# Altium PCB Copy of Main.PcbDoc (part 1 of 6) (continued)
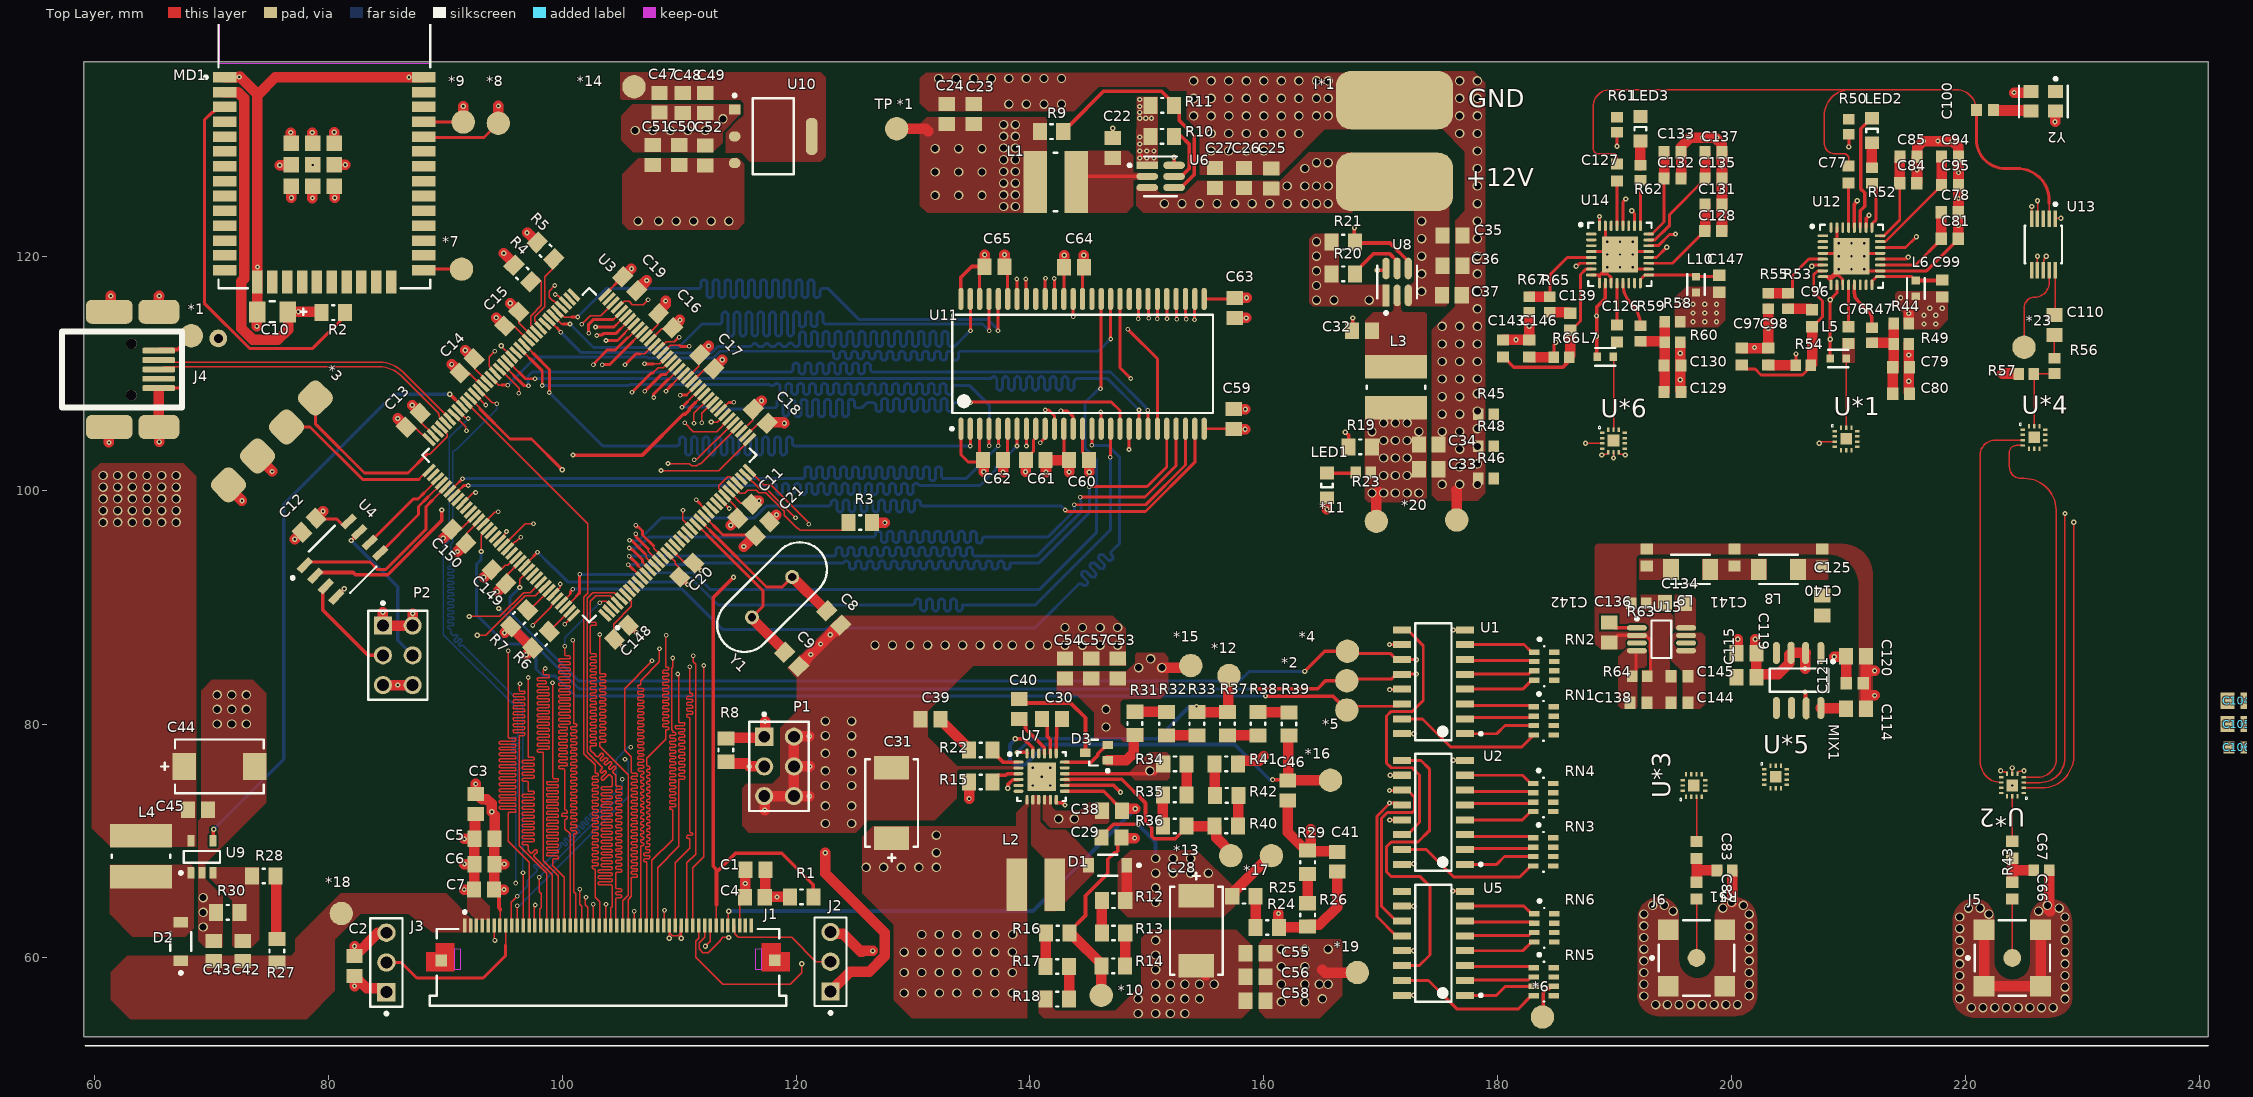
[diagram p0: Top Layer view]
## Components (designator, comment, footprint, x,y, rotation, side; value= is the part's Value field where it differs from the comment) (continued)
C92 "100nF" CAPC1608X90X35ML10T15 332.377,119.325 r0 top
C93 "100nF" CAPC1608X90X35ML10T15 338.227,119.325 r0 top
C94 "10pF" CAPC1608X90X35ML10T15 218.675,128.525 r180 top
C95 "100nF" CAPC1608X90X35ML10T15 218.675,126.1 r180 top
C96 "39nF" CAPC1608X90X35ML10T15 206.875,114.7 r270 top
C97 "2.7nF" CAPC1608X90X35ML10T15 200.875,111.425 r270 top
C98 "680pF" CAPC1608X90X35ML10T15 203.125,111.425 r270 top
C99 "100nF" CAPC1608X90X35ML10T15 218,117.25 r270 top
C100 "1nF" CAPC1608X90X35ML10T15 221.654,132.498 r180 top
C101 "1uf" CAPC2013X70X45NL10T25 382.569,135.175 r90 top
C102 "1uf" CAPC2013X70X45NL10T25 389.17,135.175 r90 top
C103 "100nF" CAPC1608X90X35ML10T15 396.395,135.175 r90 top
C104 "1uf" CAPC2013X70X45NL10T25 243.25,82 r0 top
C105 "1uf" CAPC2013X70X45NL10T25 243.25,80 r0 top
C106 "100nF" CAPC1608X90X35ML10T15 243.25,78 r0 top
C107 "1uf" CAPC2013X70X45NL10T25 334.292,135.175 r90 top
C108 "1uf" CAPC2013X70X45NL10T25 341.392,135.175 r90 top
C109 "100nF" CAPC1608X90X35ML10T15 348.618,135.175 r90 top
C110 "1uf" CAPC2013X70X45NL10T25 227.604,114.123 r90 top
C111 "1uf" CAPC2013X70X45NL10T25 295.94,135.175 r90 top
C112 "1uf" CAPC2013X70X45NL10T25 302.291,135.175 r90 top
C113 "100nF" CAPC1608X90X35ML10T15 309.241,135.175 r90 top
C114 "1uf" CAPC2013X70X45NL10T25 210.626,81.296 r0 top
C115 "1uf" CAPC2013X70X45NL10T25 201.276,83.996 r0 top
C116 "1uf" CAPC2013X70X45NL10T25 364.213,148.675 r90 top
C117 "1uf" CAPC2013X70X45NL10T25 371.088,148.675 r90 top
C118 "100nF" CAPC1608X90X35ML10T15 378.039,148.675 r90 top
C119 "1uf" CAPC2013X70X45NL10T25 201.276,86.046 r180 top
C120 "1uf" CAPC2013X70X45NL10T25 210.626,85.796 r180 top
C121 "100nF" CAPC1608X90X35ML10T15 210.526,83.496 r180 top
C122 "1uf" CAPC2013X70X45NL10T25 322.311,148.675 r90 top
C123 "1uf" CAPC2013X70X45NL10T25 329.436,148.675 r90 top
C124 "100nF" CAPC1608X90X35ML10T15 336.637,148.675 r90 top
C125 "1uf" CAPC2013X70X45NL10T25 207.75,90.15 r90 top
C126 "1nF" CAPC1608X90X35ML10T15 190.202,113.399 r270 top
C127 "1nF" CAPC1608X90X35ML10T15 190.202,127.149 r270 top
C128 "10pF" CAPC1608X90X35ML10T15 198.427,122.149 r180 top
C129 "100nF" CAPC1608X90X35ML10T15 194.952,108.399 r180 top
C130 "100nF" CAPC1608X90X35ML10T15 194.952,110.649 r180 top
C131 "100nF" CAPC1608X90X35ML10T15 198.452,124.399 r180 top
C132 "10pF" CAPC1608X90X35ML10T15 194.952,126.649 r180 top
C133 "100nF" CAPC1608X90X35ML10T15 194.952,128.899 r180 top
C134 "1uf" CAPC2013X70X45NL10T25 195.15,90.35 r180 top
C135 "10pF" CAPC1608X90X35ML10T15 198.452,126.649 r180 top
C136 "1uf" CAPC2013X70X45NL10T25 189.55,87.825 r270 top
C137 "100nF" CAPC1608X90X35ML10T15 198.452,128.899 r180 top
C138 "4.7nF" CAPC1608X90X35ML10T15 192.05,81.825 r180 top
C139 "10nF" CAPC1608X90X35ML10T15 186.202,114.399 r270 top
C140 "15nF" CAPC1608X90X35ML10T15 207.75,94.225 r270 top
C141 "38nF" CAPC1608X90X35ML10T15 200.25,94.225 r270 top
C142 "33nF" CAPC1608X90X35ML10T15 192.75,94.225 r270 top
C143 "68pF" CAPC1608X90X35ML10T15 180.452,112.124 r270 top
C144 "100nF" CAPC1608X90X35ML10T15 195.55,81.825 r0 top
C145 "10nF" CAPC1608X90X35ML10T15 195.55,84.075 r0 top
C146 "68pF" CAPC1608X90X35ML10T15 182.702,112.099 r270 top
C147 "100nF" CAPC1608X90X35ML10T15 198.952,117.649 r270 top
C148 "100nf" CAPC2013X70X45NL10T25 105.075,87.85 r225 top
C149 "100nf" CAPC2013X70X45NL10T25 94.6,92.6 r315 top
C150 "100nf" CAPC2013X70X45NL10T25 91.175,96.05 r315 top
D1 "MBR0540" FP-425-04-MFG 146.65,67.925 r180 top
D2 "MBR0540" FP-425-04-MFG 67.4,61.4 r90 top
D3 "BAT54SWT1G" ONSC-SOT-323-3-419-04_V 145.7,77.55 r180 top
I*1 "POWER" POWER 171.175,129.85 r180 top
J1 "54104-5031" MOLX-54104-5031 103.925,61.275 r0 top
J2 "22-10-2031" FP-22-10-2031-MFG 122.95,59.675 r90 top
J3 "22-10-2031" FP-22-10-2031-MFG 84.975,59.615 r90 top
J4 "67503-1020" MOLX-67503-1020_V 65.5,111.925 r0 top
J5 "RF OUT" FP-73251-1350-MFG 224,60 r0 top
J6 "RF IN" FP-73251-1350-MFG 197,60 r0 top
L1 "4.7uH" WE-TPC-4818-M 142.2,126.35 r180 top
L2 "10uH" WE-PD2-S 140.5,66.25 r0 top
L3 "2.2uH" WE-TPC-4818-M 171.3,108.8 r270 top
L4 "10uH" WE-TPC-4818-M 64,68.7 r270 top
L5 "3.9nH" FP-LQG18HH_00-MFG 209.125,111.25 r0 top
L6 "3.9nH" FP-LQG18HH_00-MFG 215.75,117.25 r270 top
L7 "3.9nH" FP-LQG18HH_00-MFG 189.202,111.399 r180 top
L8 "68uH" SMD-1210 204,93.225 r180 top
L9 "100uH" SMD-1210 196.5,93.225 r180 top
L10 "3.9nH" FP-LQG18HH_00-MFG 196.952,117.574 r270 top
LED1 "LED POWER" 0805_A 165.4,100.4 r90 top
LED2 "LED LOCK" 0805_A 212,130.75 r270 top
LED3 "LED LOCK" 0805_A 192.202,130.899 r270 top
MD1 "ESP32-WROOM-32" FP-ESP32-WROOM-32-MFG 79.665,130.05 r0 top
MIX1 "IAM81008" IAM81008 205.776,81.546 r270 top
P1 "TSW-103-08-L-D" SMTC-TSW-103-08-L-D_V 118.55,76.375 r270 top
P2 "Sucking Fuck" SMTC-TSW-103-08-L-D_V 85.95,85.875 r270 top
R1 "10k" RESC2013X60X35ML10T20 120.475,65.225 r0 top
R2 "10k" RESC2013X60X35ML10T20 80.425,115.175 r180 top
R3 "0" RESC2013X60X35ML10T20 125.5,97.225 r0 top
R4 "4k7" RESC2013X60X35ML10T20 96.6,118.525 r135 top
R5 "4k7" RESC2013X60X35ML10T20 98.575,120.475 r135 top
R6 "0" RESC2013X60X35ML10T20 98.2,87.2 r225 top
R7 "10k" RESC2013X60X35ML10T20 96.325,89.05 r225 top
R8 "10k" RESC2013X60X35ML10T20 114,77.775 r270 top
R9 "54.9k" RESC2013X60X35ML10T20 141.85,130.65 r180 top
R10 "10k" RESC2013X60X35ML10T20 151.3,130.25 r0 top
R11 "10k" RESC2013X60X35ML10T20 151.325,132.9 r0 top
R12 "430k" RESC2013X60X35ML10T20 147.15,64.9 r0 top
R13 "12k" RESC2013X60X35ML10T20 147.15,62.125 r180 top
R14 "0k" RESC2013X60X35ML10T20 147.125,59.325 r0 top
R15 "10k" RESC2013X60X35ML10T20 135.8,75.05 r180 top
R16 "51k" RESC2013X60X35ML10T20 142.375,62.125 r0 top
R17 "3.9k" RESC2013X60X35ML10T20 142.35,59.275 r180 top
R18 "0k" RESC2013X60X35ML10T20 142.35,56.475 r0 top
R19 "33.2k" RESC2013X60X35ML10T20 168.25,103.7 r0 top
R20 "10k" RESC2013X60X35ML10T20 166.8,118.5 r0 top
R21 "10k" RESC2013X60X35ML10T20 166.8,121.2 r0 top
R22 "15k" RESC2013X60X35ML10T20 135.8,77.775 r180 top
R23 "2k2" RESC1608X50X30NL20T20 168.5,101.5 r180 top
R24 "750k" RESC2013X60X35ML10T20 160.3,62.6 r0 top
R25 "56k" RESC2013X60X35ML10T20 158.3,65.275 r0 top
R26 "470k" RESC2013X60X35ML10T20 163.75,63.675 r270 top
R27 "33k" RESC2013X60X35ML10T20 75.6,60.6 r270 top
R28 "620k" RESC2013X60X35ML10T20 74.5,67 r0 top
R29 "30k" RESC2013X60X35ML10T20 163.75,68.175 r270 top
R30 "100k" RESC2013X60X35ML10T20 71.4,63.9 r0 top
R31 "430k" RESC2013X60X35ML10T20 148.975,80.05 r270 top
R32 "12k" RESC2013X60X35ML10T20 151.675,80.025 r90 top
R33 "0k" RESC2013X60X35ML10T20 154.275,80.025 r270 top
R34 "560k" RESC2013X60X35ML10T20 152.4,76.6 r180 top
R35 "100k" RESC2013X60X35ML10T20 152.375,73.925 r0 top
R36 "5.1k" RESC2013X60X35ML10T20 152.375,71.275 r180 top
R37 "75k" RESC2013X60X35ML10T20 156.875,80.025 r90 top
R38 "1.8k" RESC2013X60X35ML10T20 159.5,80.025 r270 top
R39 "0k" RESC2013X60X35ML10T20 162.15,80 r90 top
R40 "51k" RESC2013X60X35ML10T20 156.8,71.275 r180 top
R41 "3.9k" RESC2013X60X35ML10T20 156.825,73.9 r0 top
R42 "0k" RESC2013X60X35ML10T20 156.8,76.6 r180 top
R43 "50" RESC1608X50X30NL20T20 226.5,67.5 r180 top
R44 "0" RESC1608X50X30NL20T20 214.5,114.25 r0 top
R45 "0" RESC1608X50X30NL20T20 179,106.5 r0 top
R46 "0" RESC1608X50X30NL20T20 179,101 r0 top
R47 "50" RESC1608X50X30NL20T20 212,113.25 r270 top
R48 "0" RESC1608X50X30NL20T20 179,103.75 r0 top
R49 "0" RESC1608X50X30NL20T20 214.5,112.5 r180 top
R50 "4k7" RESC1608X50X30NL20T20 210.025,131.075 r90 top
R51 "50" RESC1608X50X30NL20T20 199.4,67.475 r180 top
R52 "2k2" RESC1608X50X30NL20T20 212,126.9 r90 top
R53 "100" RESC1608X50X30NL20T20 204.825,116.175 r90 top
R54 "1k" RESC1608X50X30NL20T20 206.125,110.675 r180 top
R55 "330" RESC1608X50X30NL20T20 203.125,116.175 r270 top
R56 "120" RESC1608X50X30NL20T20 227.604,110.623 r90 top
R57 "220" RESC1608X50X30NL20T20 225.204,109.923 r0 top
R58 "0" RESC1608X50X30NL20T20 194.952,114.399 r0 top
R59 "50" RESC1608X50X30NL20T20 192.202,113.399 r270 top
R60 "0" RESC1608X50X30NL20T20 194.952,112.649 r180 top
R61 "4k7" RESC1608X50X30NL20T20 190.202,131.249 r90 top
R62 "2k2" RESC1608X50X30NL20T20 192.202,127.149 r90 top
R63 "52.3" RESC1608X50X30NL20T20 192.05,90.325 r180 top
R64 "47k" RESC1608X50X30NL20T20 192.15,84.075 r180 top
R65 "470" RESC1608X50X30NL20T20 184.452,115.874 r90 top
R66 "1k" RESC1608X50X30NL20T20 185.452,111.374 r180 top
R67 "1k" RESC1608X50X30NL20T20 182.702,115.874 r270 top
RN1 "100" FP-742C083-MFG 183.925,80.27 r270 top
RN2 "100" FP-742C083-MFG 183.975,84.945 r270 top
RN3 "100" FP-742C083-MFG 183.9,69.07 r270 top
RN4 "100" FP-742C083-MFG 183.9,73.72 r270 top
RN5 "100" FP-742C083-MFG 183.95,57.97 r270 top
RN6 "100" FP-742C083-MFG 183.975,62.57 r270 top
"TP *1" "Test Pad" "Test Pad" 128.6,131 r90 top
U1 "SN74HC595DR" FP-D0016A-MFG 174.5,83.615 r180 top
U2 "SN74HC595DR" FP-D0016A-MFG 174.5,72.445 r180 top
U3 "STM32F767ZIT6" FP-LQFP144-1A-MFG 102.325,103 r135 top
U4 "M95256-WMN6TP" FP-SO8N-SO-A-MFG 81.225,94.1 r45 top
U5 "SN74HC595DR" FP-D0016A-MFG 174.5,61.25 r180 top
U6 "TPS562208DDCR" FP-DDC0006A-IPC_A 151.175,126.825 r0 top
U7 "TPS65100RGERG4" TI-RGE24-2450X2450TP_V 141,75.5 r0 top
U8 "TPS562208DDCR" FP-DDC0006A-IPC_A 171.4,117.8 r90 top
U9 "TPS61040DBVR" DBV0005A_N 69.2,68.65 r90 top
U10 "ams1117-1.8" FP-ams1117-IPC_C 118.045,130.25 r0 top
U11 "W9812G6KH" MICT-TG-54_M 144.5,110.8 r90 top
U12 "ADF4351BCPZ" ADI-CP-32-2_N 210.25,120 r0 top
U13 "SI5351A-B-GTR" FP-SI5351A-B-GTR-MFG 226.654,120.998 r270 top
U14 "ADF4351BCPZ" ADI-CP-32-2_N 190.452,120.149 r0 top
U15 "AD8310ARMZ-REEL7" ADI-RM-8_N 194,87.25 r0 top
U*1 "RF Switch" PCBComponent_1#2 208.779,105.373 r0 top
U*2 "RF Switch" PCBComponent_1#2 225.025,73.775 r180 top
U*3 "RF Switch" PCBComponent_1#2 195.775,73.725 r90 top
U*4 "RF Switch" PCBComponent_1#2 224.854,105.498 r0 top
U*5 "RF Switch" PCBComponent_1#2 202.751,76.471 r0 top
U*6 "RF Switch" PCBComponent_1#2 188.879,105.223 r0 top
Y1 "20M" FOX-FOXSLF-2_V 117.95,90.85 r225 top
Y2 "25MHz" FP-ASE-MFG 226.654,133.248 r180 top

## Footprints (in the part's own frame and the unit in brackets; to place one, negate y for a bottom-side part, rotate by r counter-clockwise, add the part's x,y. Pads: shape width x height; smd on the part's side, far side on the other; paste and mask are expansions set on the pad)
0805_A [mm] "Chip LED, 2-Leads, Body 2.0x1.3mm, IPC Medium Density"
  rect 1.1x1.2 smd: 1(-1.05,0) 2(1.05,0)
  silkscreen extent -0.15,-0.5 0.15,0.5, body extent -1,-0.62 1,0.63, height 0.68
ADI-CP-32-2_N [mm] "QFN, 32-Leads, Body 5x5mm, Pitch 0.5mm, Thermal Pad 3.1x3.1mm, IPC Medium Density"
  oval 0.9x0.25 smd: 1(-2.45,1.75) 2(-2.45,1.25) 3(-2.45,0.75) 4(-2.45,0.25) 5(-2.45,-0.25) 6(-2.45,-0.75) 7(-2.45,-1.25) 8(-2.45,-1.75) 17(2.45,-1.75) 18(2.45,-1.25) 19(2.45,-0.75) 20(2.45,-0.25) 21(2.45,0.25) 22(2.45,0.75) 23(2.45,1.25) 24(2.45,1.75)
  oval 0.25x0.9 smd: 9(-1.75,-2.45) 10(-1.25,-2.45) 11(-0.75,-2.45) 12(-0.25,-2.45) 13(0.25,-2.45) 14(0.75,-2.45) 15(1.25,-2.45) 16(1.75,-2.45) 25(1.75,2.45) 26(1.25,2.45) 27(0.75,2.45) 28(0.25,2.45) 29(-0.25,2.45) 30(-0.75,2.45) 31(-1.25,2.45) 32(-1.75,2.45)
  rect 3.1x3.1 smd: 33(0,0)
  silkscreen extent -3.47,-2.7 2.7,2.7, body extent -2.55,-2.55 2.55,2.55, height 1
ADI-RM-8_N [mm] "TSOP, 8-Leads, Body 3x3mm, Pitch 0.65mm, IPC Medium Density"
  oval 1.7x0.45 smd: 1(-2.1,0.975) 2(-2.1,0.325) 3(-2.1,-0.325) 4(-2.1,-0.975) 5(2.1,-0.975) 6(2.1,-0.325) 7(2.1,0.325) 8(2.1,0.975)
  silkscreen extent -2.22,-1.6 0.85,1.87, body extent -1.6,-1.6 1.6,1.6, height 1.1
CAPC1608X90X35ML10T15 [mm] "Chip Capacitor, 2-Leads, Body 1.7x0.9mm, IPC Low Density"
  rect 0.95x1.05 smd: 1(-0.725,0) 2(0.725,0)
  body extent -0.85,-0.45 0.85,0.45, height 0.9
CAPC2013X70X45NL10T25 [mm] "Chip Capacitor, 2-Leads, Body 2.00x1.25mm, IPC Medium Density"
  rect 1.2x1.4 smd: 1(-0.85,0) 2(0.85,0)
  body extent -1.05,-0.67 1.05,0.67, height 0.7
DBV0005A_N [mm] "SOT23, 5-Leads, Body 3.05x1.75mm, Pitch 0.95mm, IPC Medium Density"
  rrect17% 1x0.6 smd: 1(-1.375,0.95) 2(-1.375,0) 3(-1.375,-0.95) 4(1.375,-0.95) 5(1.375,0.95)
  silkscreen extent -1.5,-1.55 0.5,1.92, body extent -1.42,-1.46 1.42,1.46, height 1.08
FOX-FOXSLF-2_V [mm] "THD, 2-Leads, Body 11.35x4.65mm, Pitch 4.88mm"
  round 1.2 hole 0.7: 1(-2.44,0) 2(2.44,0)
  silkscreen extent -5.68,-2.32 5.68,2.32, body extent -5.67,-2.32 5.68,2.33, height 3.6
FP-22-10-2031-MFG [mm]
  rect 1.57x1.57 hole 1.02 paste-1000 mask+0: 1(-2.54,0)
  round 1.57 hole 1.02 paste-1000 mask+0: 2(0,0) 3(2.54,0)
  silkscreen extent -4.5,-1.37 3.78,1.37, body extent -3.89,-1.47 3.89,1.47, height 0.25
FP-425-04-MFG [mil]
  rect 36x48 smd paste+0 mask+0: 1(-64.5,0) 2(64.5,0)
  silkscreen extent -110,-35 32,35, body extent -86,-39 86,39, height 10
FP-742C083-MFG [mm]
  rect 0.45x0.9 smd paste+0 mask+0: 1(-1.2,-0.85) 2(-0.4,-0.85) 3(0.4,-0.85) 4(1.2,-0.85) 5(1.2,0.85) 6(0.4,0.85) 7(-0.4,0.85) 8(-1.2,0.85)
  silkscreen extent -2.42,-0.52 1.7,0.03, body extent -1.8,-1.4 1.8,1.4, height 0.25
FP-73251-1350-MFG [mil]
  round 60 smd paste+0 mask+0: 1(0,0)
  rect 70x70 smd paste+0 mask+0: 2(-95,95) 3(95,95) 4(-95,-95) 5(95,-95)
  silkscreen extent -155,-127 127,127, body extent -134,-134 134,134, height 10
FP-ams1117-IPC_C [mm]
  rect 1.004x0.872 smd paste+0 mask+0: 1(-3.295,2.29)
  rrect100% 1.004x0.872 smd paste+0 mask+0: 2(-3.295,0) 3(-3.295,-2.29)
  rrect87% 1.004x3.182 smd paste+0 mask+0: 4(3.295,0)
  silkscreen extent -3.42,-3.25 1.75,3.62, body extent -3.9,-3.35 3.9,3.35, height 0.25
FP-ASE-MFG [mm]
  rect 1.3x1.1 smd paste+0 mask+0: 1(-1.05,-0.825) 2(1.05,-0.825) 3(1.05,0.825) 4(-1.05,0.825)
  silkscreen extent -2.07,-2.05 2.07,1.35, body extent -1.8,-1.48 1.8,1.48, height 0.25
FP-D0016A-MFG [mm]
  rect 1.55x0.6 smd paste-1000 mask+0: 1(-2.7,4.445) 2(-2.7,3.175) 3(-2.7,1.905) 4(-2.7,0.635) 5(-2.7,-0.635) 6(-2.7,-1.905) 7(-2.7,-3.175) 8(-2.7,-4.445) 9(2.7,-4.445) 10(2.7,-3.175) 11(2.7,-1.905) 12(2.7,-0.635) 13(2.7,0.635) 14(2.7,1.905) 15(2.7,3.175) 16(2.7,4.445)
  silkscreen extent -4.18,-5 1.55,5, body extent -3.57,-5.25 3.57,5.25, height 0.25
FP-DDC0006A-IPC_A [mm]
  rect 1.854x0.612 smd paste+0 mask+0: 1(-1.15,0.95)
  rrect100% 1.854x0.612 smd paste+0 mask+0: 2(-1.15,0) 3(-1.15,-0.95) 4(1.15,-0.95) 5(1.15,0) 6(1.15,0.95)
  silkscreen extent -2.77,-1.7 1.4,1.7, body extent -2.58,-1.95 2.58,1.95, height 0.25
FP-ESP32-WROOM-32-MFG [mm]
  rect 2x0.9 smd paste+0 mask+0: 1(-8.5,5.26) 2(-8.5,3.99) 3(-8.5,2.72) 4(-8.5,1.45) 5(-8.5,0.18) 6(-8.5,-1.09) 7(-8.5,-2.36) 8(-8.5,-3.63) 9(-8.5,-4.9) 10(-8.5,-6.17) 11(-8.5,-7.44) 12(-8.5,-8.71) 13(-8.5,-9.98) 14(-8.5,-11.25) 25(8.5,-11.25) 26(8.5,-9.98) 27(8.5,-8.71) 28(8.5,-7.44) 29(8.5,-6.17) 30(8.5,-4.9) 31(8.5,-3.63) 32(8.5,-2.36) 33(8.5,-1.09) 34(8.5,0.18) 35(8.5,1.45) 36(8.5,2.72) 37(8.5,3.99) 38(8.5,5.26)
  rect 0.9x2 smd paste+0 mask+0: 15(-5.715,-12.25) 16(-4.445,-12.25) 17(-3.175,-12.25) 18(-1.905,-12.25) 19(-0.635,-12.25) 20(0.635,-12.25) 21(1.905,-12.25) 22(3.175,-12.25) 23(4.445,-12.25) 24(5.715,-12.25)
  rect 1.33x1.33 smd paste+0 mask+0: 39(-2.835,-4.075) 39(-2.835,-2.24) 39(-2.835,-0.405) 39(-1,-4.075) 39(-1,-2.24) 39(-1,-0.405) 39(0.835,-4.075) 39(0.835,-2.24) 39(0.835,-0.405)
  Keep-Out Layer region: -9,6.45 9,6.45 9,12.75 -9,12.75
  Keep-Out Layer region: -9,6.45 9,6.45 9,12.75 -9,12.75
  silkscreen extent -10.25,-12.8 9.05,12.8, body extent -9.6,-13.35 9.6,12.9, height 0.25
FP-LQFP144-1A-MFG [mm]
  rect 1.35x0.35 smd paste+0 mask+0: 1(-10.625,8.75) 2(-10.625,8.25) 3(-10.625,7.75) 4(-10.625,7.25) 5(-10.625,6.75) 6(-10.625,6.25) 7(-10.625,5.75) 8(-10.625,5.25) 9(-10.625,4.75) 10(-10.625,4.25) 11(-10.625,3.75) 12(-10.625,3.25) 13(-10.625,2.75) 14(-10.625,2.25) 15(-10.625,1.75) 16(-10.625,1.25) 17(-10.625,0.75) 18(-10.625,0.25) 19(-10.625,-0.25) 20(-10.625,-0.75) 21(-10.625,-1.25) 22(-10.625,-1.75) 23(-10.625,-2.25) 24(-10.625,-2.75) 25(-10.625,-3.25) 26(-10.625,-3.75) 27(-10.625,-4.25) 28(-10.625,-4.75) 29(-10.625,-5.25) 30(-10.625,-5.75) 31(-10.625,-6.25) 32(-10.625,-6.75) 33(-10.625,-7.25) 34(-10.625,-7.75) 35(-10.625,-8.25) 36(-10.625,-8.75) 73(10.625,-8.75) 74(10.625,-8.25) 75(10.625,-7.75) 76(10.625,-7.25) 77(10.625,-6.75) 78(10.625,-6.25) 79(10.625,-5.75) 80(10.625,-5.25) 81(10.625,-4.75) 82(10.625,-4.25) 83(10.625,-3.75) 84(10.625,-3.25) 85(10.625,-2.75) 86(10.625,-2.25) 87(10.625,-1.75) 88(10.625,-1.25) 89(10.625,-0.75) 90(10.625,-0.25) 91(10.625,0.25) 92(10.625,0.75) 93(10.625,1.25) 94(10.625,1.75) 95(10.625,2.25) 96(10.625,2.75) 97(10.625,3.25) 98(10.625,3.75) 99(10.625,4.25) 100(10.625,4.75) 101(10.625,5.25) 102(10.625,5.75) 103(10.625,6.25) 104(10.625,6.75) 105(10.625,7.25) 106(10.625,7.75) 107(10.625,8.25) 108(10.625,8.75)
  rect 0.35x1.35 smd paste+0 mask+0: 37(-8.75,-10.625) 38(-8.25,-10.625) 39(-7.75,-10.625) 40(-7.25,-10.625) 41(-6.75,-10.625) 42(-6.25,-10.625) 43(-5.75,-10.625) 44(-5.25,-10.625) 45(-4.75,-10.625) 46(-4.25,-10.625) 47(-3.75,-10.625) 48(-3.25,-10.625) 49(-2.75,-10.625) 50(-2.25,-10.625) 51(-1.75,-10.625) 52(-1.25,-10.625) 53(-0.75,-10.625) 54(-0.25,-10.625) 55(0.25,-10.625) 56(0.75,-10.625) 57(1.25,-10.625) 58(1.75,-10.625) 59(2.25,-10.625) 60(2.75,-10.625) 61(3.25,-10.625) 62(3.75,-10.625) 63(4.25,-10.625) 64(4.75,-10.625) 65(5.25,-10.625) 66(5.75,-10.625) 67(6.25,-10.625) 68(6.75,-10.625) 69(7.25,-10.625) 70(7.75,-10.625) 71(8.25,-10.625) 72(8.75,-10.625) 109(8.75,10.625) 110(8.25,10.625) 111(7.75,10.625) 112(7.25,10.625) 113(6.75,10.625) 114(6.25,10.625) 115(5.75,10.625) 116(5.25,10.625) 117(4.75,10.625) 118(4.25,10.625) 119(3.75,10.625) 120(3.25,10.625) 121(2.75,10.625) 122(2.25,10.625) 123(1.75,10.625) 124(1.25,10.625) 125(0.75,10.625) 126(0.25,10.625) 127(-0.25,10.625) 128(-0.75,10.625) 129(-1.25,10.625) 130(-1.75,10.625) 131(-2.25,10.625) 132(-2.75,10.625) 133(-3.25,10.625) 134(-3.75,10.625) 135(-4.25,10.625) 136(-4.75,10.625) 137(-5.25,10.625) 138(-5.75,10.625) 139(-6.25,10.625) 140(-6.75,10.625) 141(-7.25,10.625) 142(-7.75,10.625) 143(-8.25,10.625) 144(-8.75,10.625)
  silkscreen extent -12.27,-10.1 10.1,10.1, body extent -11.4,-11.4 11.4,11.4, height 0.25
FP-LQG18HH_00-MFG [mm]
  rect 0.65x0.7 smd paste+0 mask+0: 1(-0.675,0) 2(0.675,0)
  silkscreen extent -0.87,-0.75 0.87,0.75, body extent -1.1,-0.58 1.1,0.58, height 0.25
FP-SI5351A-B-GTR-MFG [mm]
  rect 1.4x0.3 smd paste+0 mask+0: 1(-2.2,1) 2(-2.2,0.5) 3(-2.2,0) 4(-2.2,-0.5) 5(-2.2,-1) 6(2.2,-1) 7(2.2,-0.5) 8(2.2,0) 9(2.2,0.5) 10(2.2,1)
  silkscreen extent -3.57,-1.6 1.6,1.6, body extent -3,-1.7 3,1.7, height 0.25
FP-SO8N-SO-A-MFG [mm]
  rect 1.4x0.6 smd paste+0 mask+0: 1(-2.65,1.905) 2(-2.65,0.635) 3(-2.65,-0.635) 4(-2.65,-1.905) 5(2.65,-1.905) 6(2.65,-0.635) 7(2.65,0.635) 8(2.65,1.905)
  silkscreen extent -4.27,-2.5 1.58,2.5, body extent -3.45,-2.6 3.45,2.6, height 0.25
FP-T491D107K016AT-MFG [mm]
  rect 1.99x2.33 smd paste+0 mask+0: 1(-3.01,0) 2(3.01,0)
  silkscreen extent -3.8,-2.3 4.97,2.3, body extent -4.11,-2.4 4.11,2.4, height 0.25
FP-TAJA-MFG [mm]
  rect 1.4x1.8 smd paste+0 mask+0: 1(-1.3,0) 2(1.3,0)
  silkscreen extent -0.23,-0.9 2.9,0.9, body extent -2.1,-1 2.1,1, height 0.25
FP-TAJD-MFG [mm]
  rect 2x3 smd paste+0 mask+0: 1(-3,0) 2(3,0)
  silkscreen extent -3.75,-2.25 4.97,2.25, body extent -4.1,-2.35 4.1,2.35, height 0.25
IAM81008 [mm] "MIX"
  oval 1.9x0.6 smd: 1(-4.525,1.85) 2(-4.525,0.55) 3(-4.541,-0.695) 4(-4.525,-1.95) 5(0.175,-1.95) 6(0.175,-0.65) 7(0.2,0.6) 8(0.175,1.85)
  silkscreen extent -3.92,-2.53 -1.2,3.03, body extent -4.2,-2.53 -0.2,2.47, height 1.75
MICT-TG-54_M [mm] "SOP, 54-Leads, Body 22.22x10.16mm, Pitch 0.8mm, IPC Low Density"
  oval 1.9x0.45 smd: 1(-5.55,10.4) 2(-5.55,9.6) 3(-5.55,8.8) 4(-5.55,8) 5(-5.55,7.2) 6(-5.55,6.4) 7(-5.55,5.6) 8(-5.55,4.8) 9(-5.55,4) 10(-5.55,3.2) 11(-5.55,2.4) 12(-5.55,1.6) 13(-5.55,0.8) 14(-5.55,0) 15(-5.55,-0.8) 16(-5.55,-1.6) 17(-5.55,-2.4) 18(-5.55,-3.2) 19(-5.55,-4) 20(-5.55,-4.8) 21(-5.55,-5.6) 22(-5.55,-6.4) 23(-5.55,-7.2) 24(-5.55,-8) 25(-5.55,-8.8) 26(-5.55,-9.6) 27(-5.55,-10.4) 28(5.55,-10.4) 29(5.55,-9.6) 30(5.55,-8.8) 31(5.55,-8) 32(5.55,-7.2) 33(5.55,-6.4) 34(5.55,-5.6) 35(5.55,-4.8) 36(5.55,-4) 37(5.55,-3.2) 38(5.55,-2.4) 39(5.55,-1.6) 40(5.55,-0.8) 41(5.55,0) 42(5.55,0.8) 43(5.55,1.6) 44(5.55,2.4) 45(5.55,3.2) 46(5.55,4) 47(5.55,4.8) 48(5.55,5.6) 49(5.55,6.4) 50(5.55,7.2) 51(5.55,8) 52(5.55,8.8) 53(5.55,9.6) 54(5.55,10.4)
  silkscreen extent -5.67,-11.15 4.2,11.3, body extent -5.1,-11.15 5.1,11.15, height 1.2
MOLX-54104-5031 [mm] "FPC Connector, 50-Leads, Right Angle, Pitch 0.5 mm, Mated Height 2.0 mm, SMT"
  rect 0.3x1.2 smd: 1(-12.25,1.5) 2(-11.75,1.5) 3(-11.25,1.5) 4(-10.75,1.5) 5(-10.25,1.5) 6(-9.75,1.5) 7(-9.25,1.5) 8(-8.75,1.5) 9(-8.25,1.5) 10(-7.75,1.5) 11(-7.25,1.5) 12(-6.75,1.5) 13(-6.25,1.5) 14(-5.75,1.5) 15(-5.25,1.5) 16(-4.75,1.5) 17(-4.25,1.5) 18(-3.75,1.5) 19(-3.25,1.5) 20(-2.75,1.5) 21(-2.25,1.5) 22(-1.75,1.5) 23(-1.25,1.5) 24(-0.75,1.5) 25(-0.25,1.5) 26(0.25,1.5) 27(0.75,1.5) 28(1.25,1.5) 29(1.75,1.5) 30(2.25,1.5) 31(2.75,1.5) 32(3.25,1.5) 33(3.75,1.5) 34(4.25,1.5) 35(4.75,1.5) 36(5.25,1.5) 37(5.75,1.5) 38(6.25,1.5) 39(6.75,1.5) 40(7.25,1.5) 41(7.75,1.5) 42(8.25,1.5) 43(8.75,1.5) 44(9.25,1.5) 45(9.75,1.5) 46(10.25,1.5) 47(10.75,1.5) 48(11.25,1.5) 49(11.75,1.5) 50(12.25,1.5)
  rect 1x1 smd: MP1(-14.25,-1.5) MP2(14.25,-1.475)
  Top Layer region: -13.15,0 -14.75,0 -14.75,-0.8 -15.55,-0.8 -15.55,-2.4 -13.15,-2.4
  Top Layer region: 13.15,0 14.75,0 14.75,-0.8 15.55,-0.8 15.55,-2.4 13.15,-2.4
  Keep-Out Layer region: -12.6,-0.55 -13.15,-0.55 -13.15,-2.25 -12.6,-2.25
  Keep-Out Layer region: 13.15,-0.55 12.6,-0.55 12.6,-2.25 13.15,-2.25
  silkscreen extent -15.25,-5.35 15.25,2.77, body extent -15.25,-5.35 15.25,1.8, height 2.06
MOLX-67503-1020_V [mm] "Mini USB Connector, SMT, Righer Angle"
  rrect50% 2.8x0.5 smd: 1(0,0) 2(0,-0.8) 3(0,-1.6) 4(0,-2.4) 5(0,-3.2)
  rrect50% 3.5x2.05 smd: 6(0.025,3.325) 8(0.025,-6.525)
  rrect50% 4x2.05 smd: 7(-4.225,3.325) 9(-4.225,-6.525)
  round 0.9 hole 0.9 unplated: X(-2.325,-3.8) Y(-2.325,0.6)
  silkscreen extent -8.25,-4.85 2,1.65, body extent -8.22,-6.56 0.78,3.34, height 3.95
ONSC-SOT-323-3-419-04_V [mm] "SOT23, 3-Leads, Body 2x1.25mm, Pitch 0.65mm"
  rect 0.9x0.7 smd: 1(-0.95,0.65) 2(-0.95,-0.65) 3(0.95,0)
  silkscreen extent -1.08,-1.1 0.63,1.67, body extent -0.63,-1 0.63,1, height 1
PCBComponent_1#1 [mm]
  rrect50% 2.5x2.5 smd: 1(0,5.3) 2(0,1.8) 3(0,-1.7) 4(0,-5.2)
PCBComponent_1#2 [mm]
  rect 0.395x0.2 smd mask+0.07: 1(0.05,-0.325) 2(0.05,-0.775) 3(0.05,-1.225) 4(0.05,-1.675) 8(1.975,-1.675) 9(1.975,-1.225) 10(1.975,-0.775) 11(1.975,-0.325)
  rect 0.2x0.395 smd mask+0.07: 5(0.575,-1.975) 6(1.025,-1.975) 7(1.475,-1.975) 12(1.475,-0.05) 13(1.025,-0.05) 14(0.575,-0.05)
  rect 1x1 smd: 15(1.025,-0.975)
  silkscreen extent -0.27,0.03 -0.08,0.22, body extent 0,-2.02 2,0, height 0.25